# Altium PCB PCB4.PcbDoc (part 10 of 12)
Units mil, origin at the board's own origin, x right, y up, seen from the top; angles counter-clockwise.
Board outline 9204.7 x 4350.39 mil, 4 copper layers (Top Layer, Layer 1, Layer 2, Bottom Layer), stack 23.756 mil thick; 1824 components, 1732 nets, 6090 pads, 1022 vias.
Unrouted connection lines stored in the file: 2463.
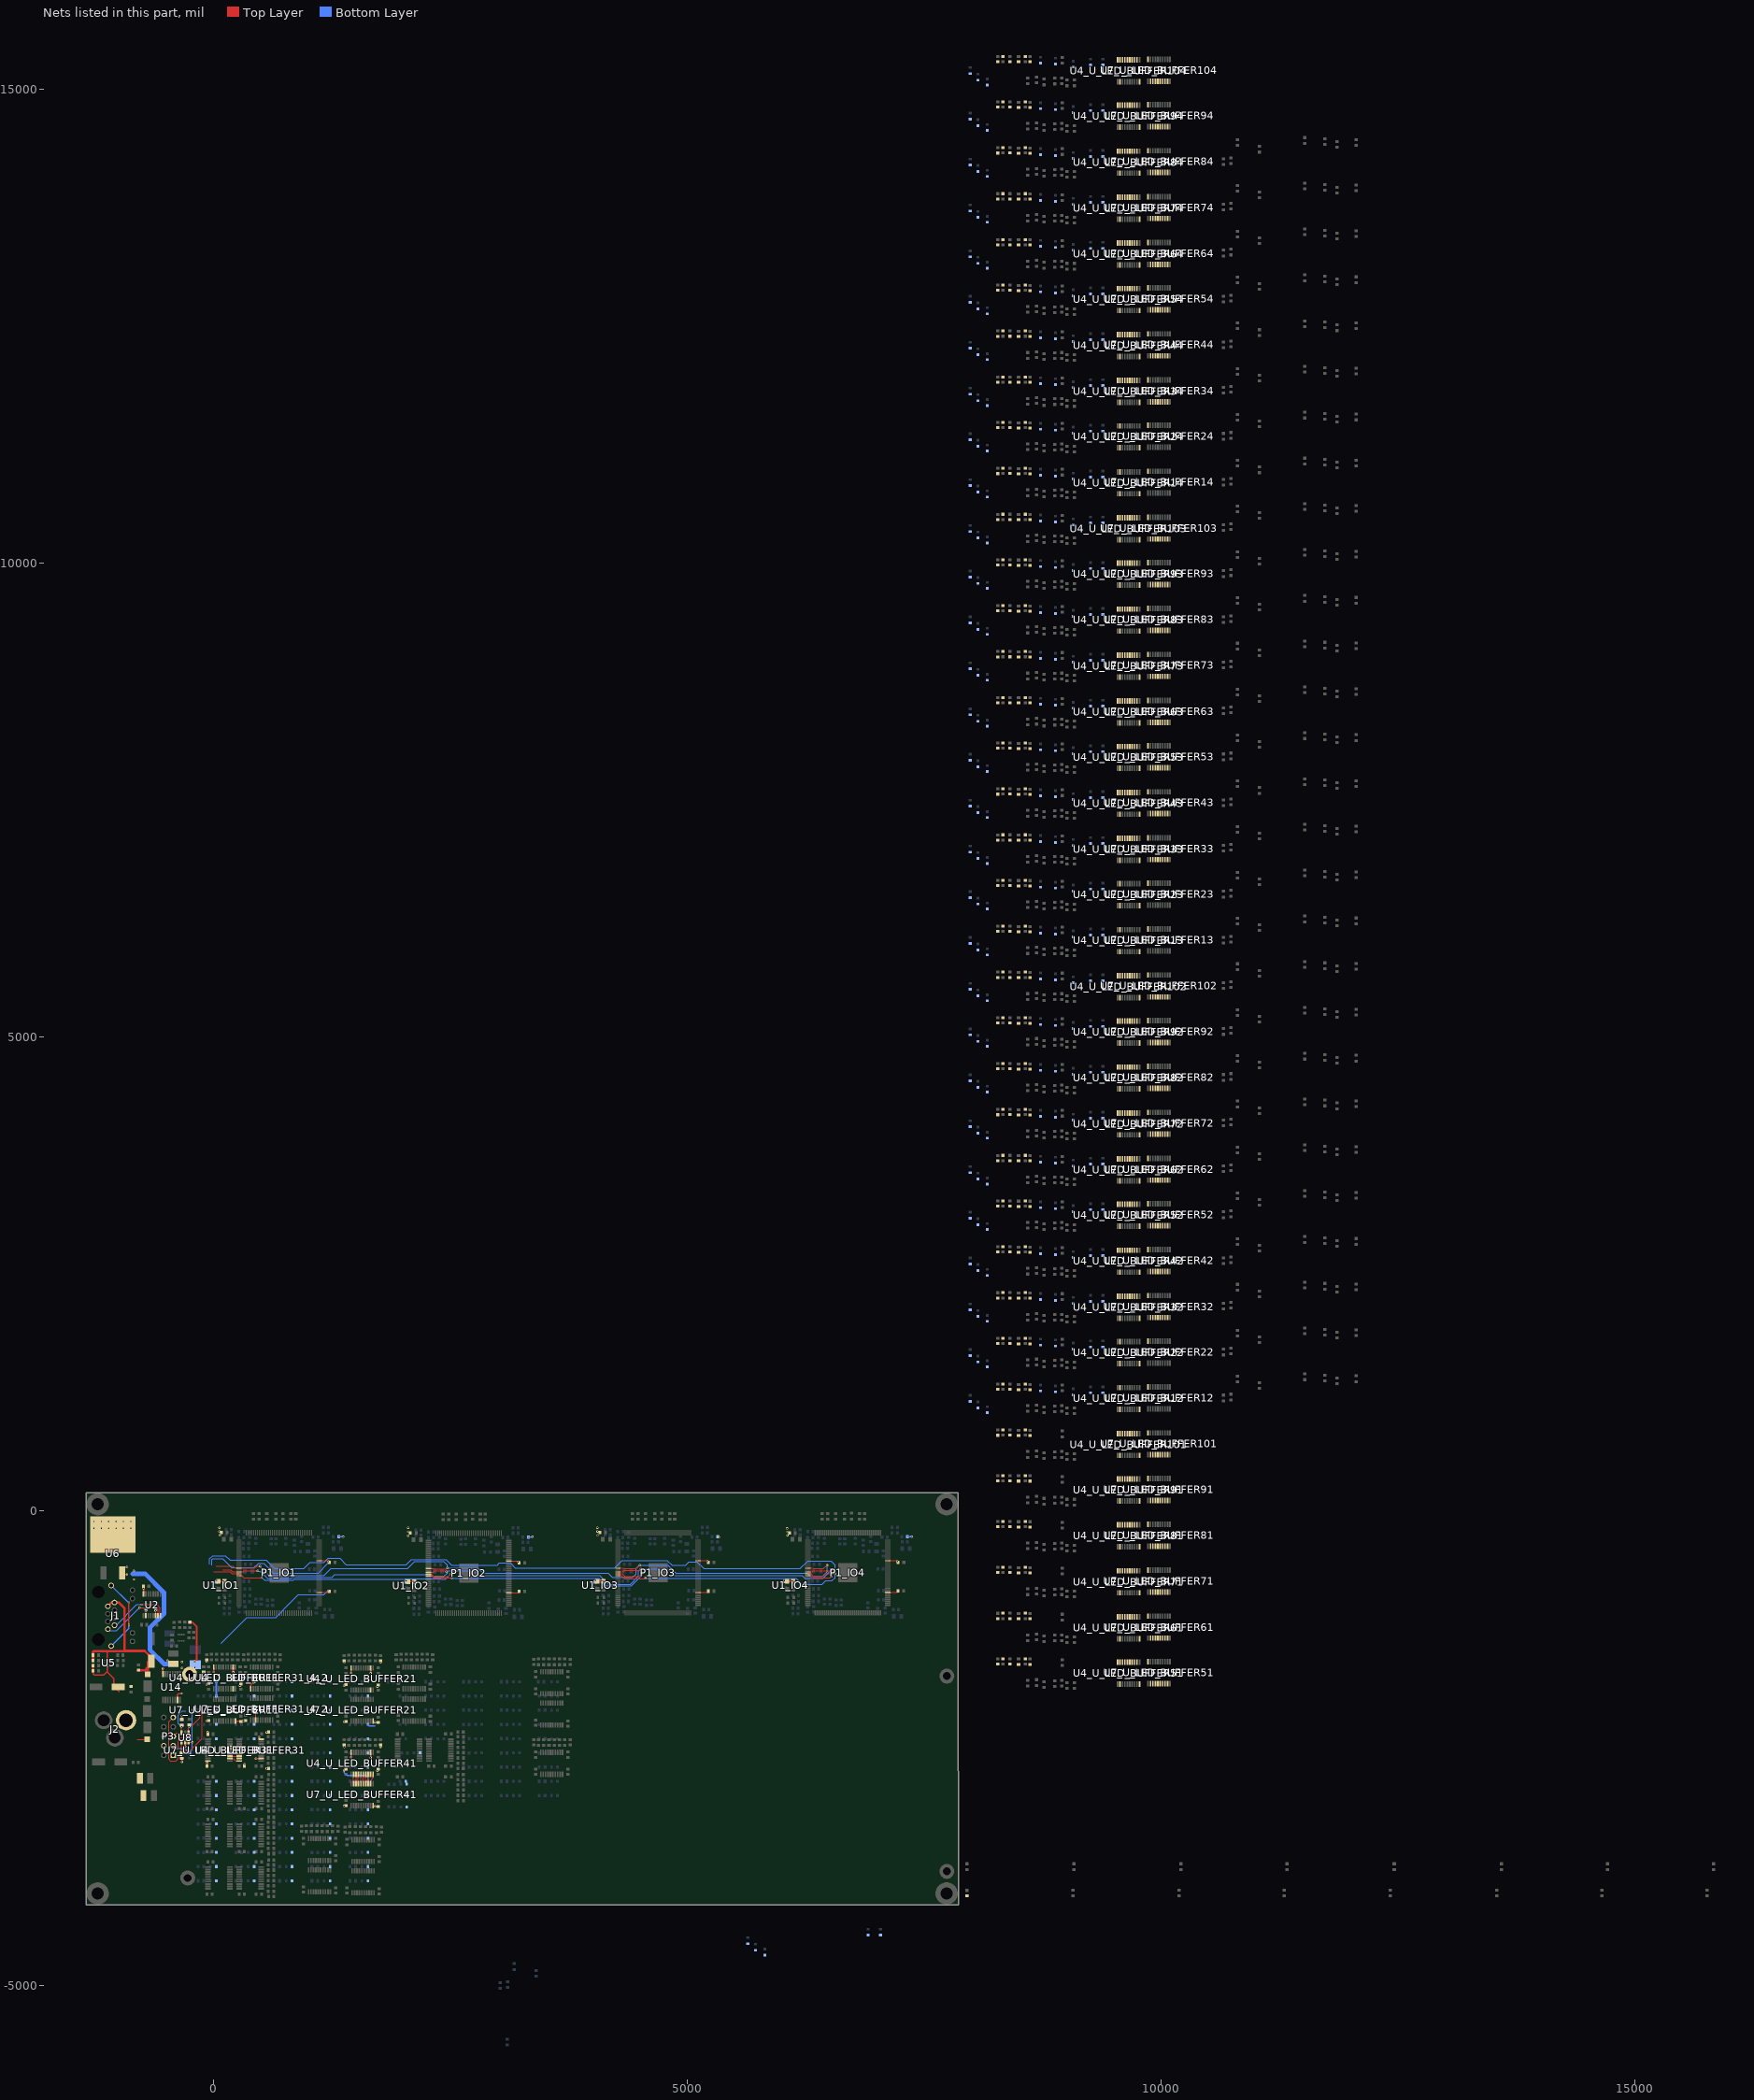
[diagram p12: the nets of this part, all layers, seen from the top]

## Via types
v1: diameter 24, hole 12, Top Layer to Bottom Layer, 1022 vias

## Nets (pads, with @x,y where several pads share a name; then routed paths per layer and width w, separated by ;. In a path a pad name is that pad's centre, name@x,y a point inside that pad or via, vN(x,y) a via of type N, cw(c..) or ccw(c..) an arc to the next point about the centre after c; other vN are vias at no path point) (continued)
NetU4_U_LED_BUFFER31_14: U4_U_LED_BUFFER31.14 U7_U_LED_BUFFER31.7 | length 98.7
  Top Layer w7: U7_U_LED_BUFFER31.7@171.34,-2480 U4_U_LED_BUFFER31.14@270,-2480
NetU4_U_LED_BUFFER31_15: U4_U_LED_BUFFER31.15 U7_U_LED_BUFFER31.6 | length 98.7
  Top Layer w7: U7_U_LED_BUFFER31.6@175.67,-2507.2 U4_U_LED_BUFFER31.15@274.33,-2507.2
NetU4_U_LED_BUFFER31_16: U4_U_LED_BUFFER31.16 U7_U_LED_BUFFER31.5 | length 98.7
  Top Layer w7: U7_U_LED_BUFFER31.5@175.67,-2532.8 U4_U_LED_BUFFER31.16@274.33,-2532.8
NetU4_U_LED_BUFFER31_17: U4_U_LED_BUFFER31.17 U7_U_LED_BUFFER31.4 | length 98.7
  Top Layer w7: U7_U_LED_BUFFER31.4@175.67,-2558.39 U4_U_LED_BUFFER31.17@274.33,-2558.39
NetU4_U_LED_BUFFER31_18: U4_U_LED_BUFFER31.18 U7_U_LED_BUFFER31.3 | length 98.7
  Top Layer w7: U7_U_LED_BUFFER31.3@175.67,-2583.98 U4_U_LED_BUFFER31.18@274.33,-2583.98
NetU4_U_LED_BUFFER31_20: U4_U_LED_BUFFER31.20 U7_U_LED_BUFFER31.2 | length 109.3
  Top Layer w7: U7_U_LED_BUFFER31.2@175.67,-2609.57 209.57,-2609.57 235.16,-2635.16 U4_U_LED_BUFFER31.20@274.33,-2635.16
NetU4_U_LED_BUFFER32_12: U4_U_LED_BUFFER32.12 U7_U_LED_BUFFER32.9
NetU4_U_LED_BUFFER32_13: U4_U_LED_BUFFER32.13 U7_U_LED_BUFFER32.8
NetU4_U_LED_BUFFER32_14: U4_U_LED_BUFFER32.14 U7_U_LED_BUFFER32.7
NetU4_U_LED_BUFFER32_15: U4_U_LED_BUFFER32.15 U7_U_LED_BUFFER32.6
NetU4_U_LED_BUFFER32_16: U4_U_LED_BUFFER32.16 U7_U_LED_BUFFER32.5
NetU4_U_LED_BUFFER32_17: U4_U_LED_BUFFER32.17 U7_U_LED_BUFFER32.4
NetU4_U_LED_BUFFER32_18: U4_U_LED_BUFFER32.18 U7_U_LED_BUFFER32.3
NetU4_U_LED_BUFFER32_20: U4_U_LED_BUFFER32.20 U7_U_LED_BUFFER32.2
NetU4_U_LED_BUFFER33_12: U4_U_LED_BUFFER33.12 U7_U_LED_BUFFER33.9
NetU4_U_LED_BUFFER33_13: U4_U_LED_BUFFER33.13 U7_U_LED_BUFFER33.8
NetU4_U_LED_BUFFER33_14: U4_U_LED_BUFFER33.14 U7_U_LED_BUFFER33.7
NetU4_U_LED_BUFFER33_15: U4_U_LED_BUFFER33.15 U7_U_LED_BUFFER33.6
NetU4_U_LED_BUFFER33_16: U4_U_LED_BUFFER33.16 U7_U_LED_BUFFER33.5
NetU4_U_LED_BUFFER33_17: U4_U_LED_BUFFER33.17 U7_U_LED_BUFFER33.4
NetU4_U_LED_BUFFER33_18: U4_U_LED_BUFFER33.18 U7_U_LED_BUFFER33.3
NetU4_U_LED_BUFFER33_20: U4_U_LED_BUFFER33.20 U7_U_LED_BUFFER33.2
NetU4_U_LED_BUFFER34_12: U4_U_LED_BUFFER34.12 U7_U_LED_BUFFER34.9
NetU4_U_LED_BUFFER34_13: U4_U_LED_BUFFER34.13 U7_U_LED_BUFFER34.8
NetU4_U_LED_BUFFER34_14: U4_U_LED_BUFFER34.14 U7_U_LED_BUFFER34.7
NetU4_U_LED_BUFFER34_15: U4_U_LED_BUFFER34.15 U7_U_LED_BUFFER34.6
NetU4_U_LED_BUFFER34_16: U4_U_LED_BUFFER34.16 U7_U_LED_BUFFER34.5
NetU4_U_LED_BUFFER34_17: U4_U_LED_BUFFER34.17 U7_U_LED_BUFFER34.4
NetU4_U_LED_BUFFER34_18: U4_U_LED_BUFFER34.18 U7_U_LED_BUFFER34.3
NetU4_U_LED_BUFFER34_20: U4_U_LED_BUFFER34.20 U7_U_LED_BUFFER34.2
NetU4_U_LED_BUFFER41_12: U4_U_LED_BUFFER41.12 U7_U_LED_BUFFER41.9 | length 98.7
  Top Layer w7: U7_U_LED_BUFFER41.9@1480.43,-2874.33 U4_U_LED_BUFFER41.12@1480.43,-2775.67
NetU4_U_LED_BUFFER41_13: U4_U_LED_BUFFER41.13 U7_U_LED_BUFFER41.8 | length 98.7
  Top Layer w7: U7_U_LED_BUFFER41.8@1506.02,-2874.33 U4_U_LED_BUFFER41.13@1506.02,-2775.67
NetU4_U_LED_BUFFER41_14: U4_U_LED_BUFFER41.14 U7_U_LED_BUFFER41.7 | length 98.7
  Top Layer w7: U7_U_LED_BUFFER41.7@1530,-2878.66 U4_U_LED_BUFFER41.14@1530,-2780
NetU4_U_LED_BUFFER41_15: U4_U_LED_BUFFER41.15 U7_U_LED_BUFFER41.6 | length 98.7
  Top Layer w7: U7_U_LED_BUFFER41.6@1557.2,-2874.33 U4_U_LED_BUFFER41.15@1557.2,-2775.67
NetU4_U_LED_BUFFER41_16: U4_U_LED_BUFFER41.16 U7_U_LED_BUFFER41.5 | length 98.7
  Top Layer w7: U7_U_LED_BUFFER41.5@1582.8,-2874.33 U4_U_LED_BUFFER41.16@1582.8,-2775.67
NetU4_U_LED_BUFFER41_17: U4_U_LED_BUFFER41.17 U7_U_LED_BUFFER41.4 | length 98.7
  Top Layer w7: U7_U_LED_BUFFER41.4@1608.39,-2874.33 U4_U_LED_BUFFER41.17@1608.39,-2775.67
NetU4_U_LED_BUFFER41_18: U4_U_LED_BUFFER41.18 U7_U_LED_BUFFER41.3 | length 98.7
  Top Layer w7: U7_U_LED_BUFFER41.3@1633.98,-2874.33 U4_U_LED_BUFFER41.18@1633.98,-2775.67
NetU4_U_LED_BUFFER41_20: U4_U_LED_BUFFER41.20 U7_U_LED_BUFFER41.2 | length 109.3
  Top Layer w7: U7_U_LED_BUFFER41.2@1659.57,-2874.33 1659.57,-2840.43 1685.16,-2814.84 U4_U_LED_BUFFER41.20@1685.16,-2775.67
NetU4_U_LED_BUFFER42_12: U4_U_LED_BUFFER42.12 U7_U_LED_BUFFER42.9
NetU4_U_LED_BUFFER42_13: U4_U_LED_BUFFER42.13 U7_U_LED_BUFFER42.8
NetU4_U_LED_BUFFER42_14: U4_U_LED_BUFFER42.14 U7_U_LED_BUFFER42.7
NetU4_U_LED_BUFFER42_15: U4_U_LED_BUFFER42.15 U7_U_LED_BUFFER42.6
NetU4_U_LED_BUFFER42_16: U4_U_LED_BUFFER42.16 U7_U_LED_BUFFER42.5
NetU4_U_LED_BUFFER42_17: U4_U_LED_BUFFER42.17 U7_U_LED_BUFFER42.4
NetU4_U_LED_BUFFER42_18: U4_U_LED_BUFFER42.18 U7_U_LED_BUFFER42.3
NetU4_U_LED_BUFFER42_20: U4_U_LED_BUFFER42.20 U7_U_LED_BUFFER42.2
NetU4_U_LED_BUFFER43_12: U4_U_LED_BUFFER43.12 U7_U_LED_BUFFER43.9
NetU4_U_LED_BUFFER43_13: U4_U_LED_BUFFER43.13 U7_U_LED_BUFFER43.8
NetU4_U_LED_BUFFER43_14: U4_U_LED_BUFFER43.14 U7_U_LED_BUFFER43.7
NetU4_U_LED_BUFFER43_15: U4_U_LED_BUFFER43.15 U7_U_LED_BUFFER43.6
NetU4_U_LED_BUFFER43_16: U4_U_LED_BUFFER43.16 U7_U_LED_BUFFER43.5
NetU4_U_LED_BUFFER43_17: U4_U_LED_BUFFER43.17 U7_U_LED_BUFFER43.4
NetU4_U_LED_BUFFER43_18: U4_U_LED_BUFFER43.18 U7_U_LED_BUFFER43.3
NetU4_U_LED_BUFFER43_20: U4_U_LED_BUFFER43.20 U7_U_LED_BUFFER43.2
NetU4_U_LED_BUFFER44_12: U4_U_LED_BUFFER44.12 U7_U_LED_BUFFER44.9
NetU4_U_LED_BUFFER44_13: U4_U_LED_BUFFER44.13 U7_U_LED_BUFFER44.8
NetU4_U_LED_BUFFER44_14: U4_U_LED_BUFFER44.14 U7_U_LED_BUFFER44.7
NetU4_U_LED_BUFFER44_15: U4_U_LED_BUFFER44.15 U7_U_LED_BUFFER44.6
NetU4_U_LED_BUFFER44_16: U4_U_LED_BUFFER44.16 U7_U_LED_BUFFER44.5
NetU4_U_LED_BUFFER44_17: U4_U_LED_BUFFER44.17 U7_U_LED_BUFFER44.4
NetU4_U_LED_BUFFER44_18: U4_U_LED_BUFFER44.18 U7_U_LED_BUFFER44.3
NetU4_U_LED_BUFFER44_20: U4_U_LED_BUFFER44.20 U7_U_LED_BUFFER44.2
NetU4_U_LED_BUFFER51_12: U4_U_LED_BUFFER51.12 U7_U_LED_BUFFER51.9
NetU4_U_LED_BUFFER51_13: U4_U_LED_BUFFER51.13 U7_U_LED_BUFFER51.8
NetU4_U_LED_BUFFER51_14: U4_U_LED_BUFFER51.14 U7_U_LED_BUFFER51.7
NetU4_U_LED_BUFFER51_15: U4_U_LED_BUFFER51.15 U7_U_LED_BUFFER51.6
NetU4_U_LED_BUFFER51_16: U4_U_LED_BUFFER51.16 U7_U_LED_BUFFER51.5
NetU4_U_LED_BUFFER51_17: U4_U_LED_BUFFER51.17 U7_U_LED_BUFFER51.4
NetU4_U_LED_BUFFER51_18: U4_U_LED_BUFFER51.18 U7_U_LED_BUFFER51.3
NetU4_U_LED_BUFFER51_20: U4_U_LED_BUFFER51.20 U7_U_LED_BUFFER51.2
NetU4_U_LED_BUFFER52_12: U4_U_LED_BUFFER52.12 U7_U_LED_BUFFER52.9
NetU4_U_LED_BUFFER52_13: U4_U_LED_BUFFER52.13 U7_U_LED_BUFFER52.8
NetU4_U_LED_BUFFER52_14: U4_U_LED_BUFFER52.14 U7_U_LED_BUFFER52.7
NetU4_U_LED_BUFFER52_15: U4_U_LED_BUFFER52.15 U7_U_LED_BUFFER52.6
NetU4_U_LED_BUFFER52_16: U4_U_LED_BUFFER52.16 U7_U_LED_BUFFER52.5
NetU4_U_LED_BUFFER52_17: U4_U_LED_BUFFER52.17 U7_U_LED_BUFFER52.4
NetU4_U_LED_BUFFER52_18: U4_U_LED_BUFFER52.18 U7_U_LED_BUFFER52.3
NetU4_U_LED_BUFFER52_20: U4_U_LED_BUFFER52.20 U7_U_LED_BUFFER52.2
NetU4_U_LED_BUFFER53_12: U4_U_LED_BUFFER53.12 U7_U_LED_BUFFER53.9
NetU4_U_LED_BUFFER53_13: U4_U_LED_BUFFER53.13 U7_U_LED_BUFFER53.8
NetU4_U_LED_BUFFER53_14: U4_U_LED_BUFFER53.14 U7_U_LED_BUFFER53.7
NetU4_U_LED_BUFFER53_15: U4_U_LED_BUFFER53.15 U7_U_LED_BUFFER53.6
NetU4_U_LED_BUFFER53_16: U4_U_LED_BUFFER53.16 U7_U_LED_BUFFER53.5
NetU4_U_LED_BUFFER53_17: U4_U_LED_BUFFER53.17 U7_U_LED_BUFFER53.4
NetU4_U_LED_BUFFER53_18: U4_U_LED_BUFFER53.18 U7_U_LED_BUFFER53.3
NetU4_U_LED_BUFFER53_20: U4_U_LED_BUFFER53.20 U7_U_LED_BUFFER53.2
NetU4_U_LED_BUFFER54_12: U4_U_LED_BUFFER54.12 U7_U_LED_BUFFER54.9
NetU4_U_LED_BUFFER54_13: U4_U_LED_BUFFER54.13 U7_U_LED_BUFFER54.8
NetU4_U_LED_BUFFER54_14: U4_U_LED_BUFFER54.14 U7_U_LED_BUFFER54.7
NetU4_U_LED_BUFFER54_15: U4_U_LED_BUFFER54.15 U7_U_LED_BUFFER54.6
NetU4_U_LED_BUFFER54_16: U4_U_LED_BUFFER54.16 U7_U_LED_BUFFER54.5
NetU4_U_LED_BUFFER54_17: U4_U_LED_BUFFER54.17 U7_U_LED_BUFFER54.4
NetU4_U_LED_BUFFER54_18: U4_U_LED_BUFFER54.18 U7_U_LED_BUFFER54.3
NetU4_U_LED_BUFFER54_20: U4_U_LED_BUFFER54.20 U7_U_LED_BUFFER54.2
NetU4_U_LED_BUFFER61_12: U4_U_LED_BUFFER61.12 U7_U_LED_BUFFER61.9
NetU4_U_LED_BUFFER61_13: U4_U_LED_BUFFER61.13 U7_U_LED_BUFFER61.8
NetU4_U_LED_BUFFER61_14: U4_U_LED_BUFFER61.14 U7_U_LED_BUFFER61.7
NetU4_U_LED_BUFFER61_15: U4_U_LED_BUFFER61.15 U7_U_LED_BUFFER61.6
NetU4_U_LED_BUFFER61_16: U4_U_LED_BUFFER61.16 U7_U_LED_BUFFER61.5
NetU4_U_LED_BUFFER61_17: U4_U_LED_BUFFER61.17 U7_U_LED_BUFFER61.4
NetU4_U_LED_BUFFER61_18: U4_U_LED_BUFFER61.18 U7_U_LED_BUFFER61.3
NetU4_U_LED_BUFFER61_20: U4_U_LED_BUFFER61.20 U7_U_LED_BUFFER61.2
NetU4_U_LED_BUFFER62_12: U4_U_LED_BUFFER62.12 U7_U_LED_BUFFER62.9
NetU4_U_LED_BUFFER62_13: U4_U_LED_BUFFER62.13 U7_U_LED_BUFFER62.8
NetU4_U_LED_BUFFER62_14: U4_U_LED_BUFFER62.14 U7_U_LED_BUFFER62.7
NetU4_U_LED_BUFFER62_15: U4_U_LED_BUFFER62.15 U7_U_LED_BUFFER62.6
NetU4_U_LED_BUFFER62_16: U4_U_LED_BUFFER62.16 U7_U_LED_BUFFER62.5
NetU4_U_LED_BUFFER62_17: U4_U_LED_BUFFER62.17 U7_U_LED_BUFFER62.4
NetU4_U_LED_BUFFER62_18: U4_U_LED_BUFFER62.18 U7_U_LED_BUFFER62.3
NetU4_U_LED_BUFFER62_20: U4_U_LED_BUFFER62.20 U7_U_LED_BUFFER62.2
NetU4_U_LED_BUFFER63_12: U4_U_LED_BUFFER63.12 U7_U_LED_BUFFER63.9
NetU4_U_LED_BUFFER63_13: U4_U_LED_BUFFER63.13 U7_U_LED_BUFFER63.8
NetU4_U_LED_BUFFER63_14: U4_U_LED_BUFFER63.14 U7_U_LED_BUFFER63.7
NetU4_U_LED_BUFFER63_15: U4_U_LED_BUFFER63.15 U7_U_LED_BUFFER63.6
NetU4_U_LED_BUFFER63_16: U4_U_LED_BUFFER63.16 U7_U_LED_BUFFER63.5
NetU4_U_LED_BUFFER63_17: U4_U_LED_BUFFER63.17 U7_U_LED_BUFFER63.4
NetU4_U_LED_BUFFER63_18: U4_U_LED_BUFFER63.18 U7_U_LED_BUFFER63.3
NetU4_U_LED_BUFFER63_20: U4_U_LED_BUFFER63.20 U7_U_LED_BUFFER63.2
NetU4_U_LED_BUFFER64_12: U4_U_LED_BUFFER64.12 U7_U_LED_BUFFER64.9
NetU4_U_LED_BUFFER64_13: U4_U_LED_BUFFER64.13 U7_U_LED_BUFFER64.8
NetU4_U_LED_BUFFER64_14: U4_U_LED_BUFFER64.14 U7_U_LED_BUFFER64.7
NetU4_U_LED_BUFFER64_15: U4_U_LED_BUFFER64.15 U7_U_LED_BUFFER64.6
NetU4_U_LED_BUFFER64_16: U4_U_LED_BUFFER64.16 U7_U_LED_BUFFER64.5
NetU4_U_LED_BUFFER64_17: U4_U_LED_BUFFER64.17 U7_U_LED_BUFFER64.4
NetU4_U_LED_BUFFER64_18: U4_U_LED_BUFFER64.18 U7_U_LED_BUFFER64.3
NetU4_U_LED_BUFFER64_20: U4_U_LED_BUFFER64.20 U7_U_LED_BUFFER64.2
NetU4_U_LED_BUFFER71_12: U4_U_LED_BUFFER71.12 U7_U_LED_BUFFER71.9
NetU4_U_LED_BUFFER71_13: U4_U_LED_BUFFER71.13 U7_U_LED_BUFFER71.8
NetU4_U_LED_BUFFER71_14: U4_U_LED_BUFFER71.14 U7_U_LED_BUFFER71.7
NetU4_U_LED_BUFFER71_15: U4_U_LED_BUFFER71.15 U7_U_LED_BUFFER71.6
NetU4_U_LED_BUFFER71_16: U4_U_LED_BUFFER71.16 U7_U_LED_BUFFER71.5
NetU4_U_LED_BUFFER71_17: U4_U_LED_BUFFER71.17 U7_U_LED_BUFFER71.4
NetU4_U_LED_BUFFER71_18: U4_U_LED_BUFFER71.18 U7_U_LED_BUFFER71.3
NetU4_U_LED_BUFFER71_20: U4_U_LED_BUFFER71.20 U7_U_LED_BUFFER71.2
NetU4_U_LED_BUFFER72_12: U4_U_LED_BUFFER72.12 U7_U_LED_BUFFER72.9
NetU4_U_LED_BUFFER72_13: U4_U_LED_BUFFER72.13 U7_U_LED_BUFFER72.8
NetU4_U_LED_BUFFER72_14: U4_U_LED_BUFFER72.14 U7_U_LED_BUFFER72.7
NetU4_U_LED_BUFFER72_15: U4_U_LED_BUFFER72.15 U7_U_LED_BUFFER72.6
NetU4_U_LED_BUFFER72_16: U4_U_LED_BUFFER72.16 U7_U_LED_BUFFER72.5
NetU4_U_LED_BUFFER72_17: U4_U_LED_BUFFER72.17 U7_U_LED_BUFFER72.4
NetU4_U_LED_BUFFER72_18: U4_U_LED_BUFFER72.18 U7_U_LED_BUFFER72.3
NetU4_U_LED_BUFFER72_20: U4_U_LED_BUFFER72.20 U7_U_LED_BUFFER72.2
NetU4_U_LED_BUFFER73_12: U4_U_LED_BUFFER73.12 U7_U_LED_BUFFER73.9
NetU4_U_LED_BUFFER73_13: U4_U_LED_BUFFER73.13 U7_U_LED_BUFFER73.8
NetU4_U_LED_BUFFER73_14: U4_U_LED_BUFFER73.14 U7_U_LED_BUFFER73.7
NetU4_U_LED_BUFFER73_15: U4_U_LED_BUFFER73.15 U7_U_LED_BUFFER73.6
NetU4_U_LED_BUFFER73_16: U4_U_LED_BUFFER73.16 U7_U_LED_BUFFER73.5
NetU4_U_LED_BUFFER73_17: U4_U_LED_BUFFER73.17 U7_U_LED_BUFFER73.4
NetU4_U_LED_BUFFER73_18: U4_U_LED_BUFFER73.18 U7_U_LED_BUFFER73.3
NetU4_U_LED_BUFFER73_20: U4_U_LED_BUFFER73.20 U7_U_LED_BUFFER73.2
NetU4_U_LED_BUFFER74_12: U4_U_LED_BUFFER74.12 U7_U_LED_BUFFER74.9
NetU4_U_LED_BUFFER74_13: U4_U_LED_BUFFER74.13 U7_U_LED_BUFFER74.8
NetU4_U_LED_BUFFER74_14: U4_U_LED_BUFFER74.14 U7_U_LED_BUFFER74.7
NetU4_U_LED_BUFFER74_15: U4_U_LED_BUFFER74.15 U7_U_LED_BUFFER74.6
NetU4_U_LED_BUFFER74_16: U4_U_LED_BUFFER74.16 U7_U_LED_BUFFER74.5
NetU4_U_LED_BUFFER74_17: U4_U_LED_BUFFER74.17 U7_U_LED_BUFFER74.4
NetU4_U_LED_BUFFER74_18: U4_U_LED_BUFFER74.18 U7_U_LED_BUFFER74.3
NetU4_U_LED_BUFFER74_20: U4_U_LED_BUFFER74.20 U7_U_LED_BUFFER74.2
NetU4_U_LED_BUFFER81_12: U4_U_LED_BUFFER81.12 U7_U_LED_BUFFER81.9
NetU4_U_LED_BUFFER81_13: U4_U_LED_BUFFER81.13 U7_U_LED_BUFFER81.8
NetU4_U_LED_BUFFER81_14: U4_U_LED_BUFFER81.14 U7_U_LED_BUFFER81.7
NetU4_U_LED_BUFFER81_15: U4_U_LED_BUFFER81.15 U7_U_LED_BUFFER81.6
NetU4_U_LED_BUFFER81_16: U4_U_LED_BUFFER81.16 U7_U_LED_BUFFER81.5
NetU4_U_LED_BUFFER81_17: U4_U_LED_BUFFER81.17 U7_U_LED_BUFFER81.4
NetU4_U_LED_BUFFER81_18: U4_U_LED_BUFFER81.18 U7_U_LED_BUFFER81.3
NetU4_U_LED_BUFFER81_20: U4_U_LED_BUFFER81.20 U7_U_LED_BUFFER81.2
NetU4_U_LED_BUFFER82_12: U4_U_LED_BUFFER82.12 U7_U_LED_BUFFER82.9
NetU4_U_LED_BUFFER82_13: U4_U_LED_BUFFER82.13 U7_U_LED_BUFFER82.8
NetU4_U_LED_BUFFER82_14: U4_U_LED_BUFFER82.14 U7_U_LED_BUFFER82.7
NetU4_U_LED_BUFFER82_15: U4_U_LED_BUFFER82.15 U7_U_LED_BUFFER82.6
NetU4_U_LED_BUFFER82_16: U4_U_LED_BUFFER82.16 U7_U_LED_BUFFER82.5
NetU4_U_LED_BUFFER82_17: U4_U_LED_BUFFER82.17 U7_U_LED_BUFFER82.4
NetU4_U_LED_BUFFER82_18: U4_U_LED_BUFFER82.18 U7_U_LED_BUFFER82.3
NetU4_U_LED_BUFFER82_20: U4_U_LED_BUFFER82.20 U7_U_LED_BUFFER82.2
NetU4_U_LED_BUFFER83_12: U4_U_LED_BUFFER83.12 U7_U_LED_BUFFER83.9
NetU4_U_LED_BUFFER83_13: U4_U_LED_BUFFER83.13 U7_U_LED_BUFFER83.8
NetU4_U_LED_BUFFER83_14: U4_U_LED_BUFFER83.14 U7_U_LED_BUFFER83.7
NetU4_U_LED_BUFFER83_15: U4_U_LED_BUFFER83.15 U7_U_LED_BUFFER83.6
NetU4_U_LED_BUFFER83_16: U4_U_LED_BUFFER83.16 U7_U_LED_BUFFER83.5
NetU4_U_LED_BUFFER83_17: U4_U_LED_BUFFER83.17 U7_U_LED_BUFFER83.4
NetU4_U_LED_BUFFER83_18: U4_U_LED_BUFFER83.18 U7_U_LED_BUFFER83.3
NetU4_U_LED_BUFFER83_20: U4_U_LED_BUFFER83.20 U7_U_LED_BUFFER83.2
NetU4_U_LED_BUFFER84_12: U4_U_LED_BUFFER84.12 U7_U_LED_BUFFER84.9
NetU4_U_LED_BUFFER84_13: U4_U_LED_BUFFER84.13 U7_U_LED_BUFFER84.8
NetU4_U_LED_BUFFER84_14: U4_U_LED_BUFFER84.14 U7_U_LED_BUFFER84.7
NetU4_U_LED_BUFFER84_15: U4_U_LED_BUFFER84.15 U7_U_LED_BUFFER84.6
NetU4_U_LED_BUFFER84_16: U4_U_LED_BUFFER84.16 U7_U_LED_BUFFER84.5
NetU4_U_LED_BUFFER84_17: U4_U_LED_BUFFER84.17 U7_U_LED_BUFFER84.4
NetU4_U_LED_BUFFER84_18: U4_U_LED_BUFFER84.18 U7_U_LED_BUFFER84.3
NetU4_U_LED_BUFFER84_20: U4_U_LED_BUFFER84.20 U7_U_LED_BUFFER84.2
NetU4_U_LED_BUFFER91_12: U4_U_LED_BUFFER91.12 U7_U_LED_BUFFER91.9
NetU4_U_LED_BUFFER91_13: U4_U_LED_BUFFER91.13 U7_U_LED_BUFFER91.8
NetU4_U_LED_BUFFER91_14: U4_U_LED_BUFFER91.14 U7_U_LED_BUFFER91.7
NetU4_U_LED_BUFFER91_15: U4_U_LED_BUFFER91.15 U7_U_LED_BUFFER91.6
NetU4_U_LED_BUFFER91_16: U4_U_LED_BUFFER91.16 U7_U_LED_BUFFER91.5
NetU4_U_LED_BUFFER91_17: U4_U_LED_BUFFER91.17 U7_U_LED_BUFFER91.4
NetU4_U_LED_BUFFER91_18: U4_U_LED_BUFFER91.18 U7_U_LED_BUFFER91.3
NetU4_U_LED_BUFFER91_20: U4_U_LED_BUFFER91.20 U7_U_LED_BUFFER91.2
NetU4_U_LED_BUFFER92_12: U4_U_LED_BUFFER92.12 U7_U_LED_BUFFER92.9
NetU4_U_LED_BUFFER92_13: U4_U_LED_BUFFER92.13 U7_U_LED_BUFFER92.8
NetU4_U_LED_BUFFER92_14: U4_U_LED_BUFFER92.14 U7_U_LED_BUFFER92.7
NetU4_U_LED_BUFFER92_15: U4_U_LED_BUFFER92.15 U7_U_LED_BUFFER92.6
NetU4_U_LED_BUFFER92_16: U4_U_LED_BUFFER92.16 U7_U_LED_BUFFER92.5
NetU4_U_LED_BUFFER92_17: U4_U_LED_BUFFER92.17 U7_U_LED_BUFFER92.4
NetU4_U_LED_BUFFER92_18: U4_U_LED_BUFFER92.18 U7_U_LED_BUFFER92.3
NetU4_U_LED_BUFFER92_20: U4_U_LED_BUFFER92.20 U7_U_LED_BUFFER92.2
NetU4_U_LED_BUFFER93_12: U4_U_LED_BUFFER93.12 U7_U_LED_BUFFER93.9
NetU4_U_LED_BUFFER93_13: U4_U_LED_BUFFER93.13 U7_U_LED_BUFFER93.8
NetU4_U_LED_BUFFER93_14: U4_U_LED_BUFFER93.14 U7_U_LED_BUFFER93.7
NetU4_U_LED_BUFFER93_15: U4_U_LED_BUFFER93.15 U7_U_LED_BUFFER93.6
NetU4_U_LED_BUFFER93_16: U4_U_LED_BUFFER93.16 U7_U_LED_BUFFER93.5
NetU4_U_LED_BUFFER93_17: U4_U_LED_BUFFER93.17 U7_U_LED_BUFFER93.4
NetU4_U_LED_BUFFER93_18: U4_U_LED_BUFFER93.18 U7_U_LED_BUFFER93.3
NetU4_U_LED_BUFFER93_20: U4_U_LED_BUFFER93.20 U7_U_LED_BUFFER93.2
NetU4_U_LED_BUFFER94_12: U4_U_LED_BUFFER94.12 U7_U_LED_BUFFER94.9
NetU4_U_LED_BUFFER94_13: U4_U_LED_BUFFER94.13 U7_U_LED_BUFFER94.8
NetU4_U_LED_BUFFER94_14: U4_U_LED_BUFFER94.14 U7_U_LED_BUFFER94.7
NetU4_U_LED_BUFFER94_15: U4_U_LED_BUFFER94.15 U7_U_LED_BUFFER94.6
NetU4_U_LED_BUFFER94_16: U4_U_LED_BUFFER94.16 U7_U_LED_BUFFER94.5
NetU4_U_LED_BUFFER94_17: U4_U_LED_BUFFER94.17 U7_U_LED_BUFFER94.4
NetU4_U_LED_BUFFER94_18: U4_U_LED_BUFFER94.18 U7_U_LED_BUFFER94.3
NetU4_U_LED_BUFFER94_20: U4_U_LED_BUFFER94.20 U7_U_LED_BUFFER94.2
NetU4_U_LED_BUFFER101_12: U4_U_LED_BUFFER101.12 U7_U_LED_BUFFER101.9
NetU4_U_LED_BUFFER101_13: U4_U_LED_BUFFER101.13 U7_U_LED_BUFFER101.8
NetU4_U_LED_BUFFER101_14: U4_U_LED_BUFFER101.14 U7_U_LED_BUFFER101.7
NetU4_U_LED_BUFFER101_15: U4_U_LED_BUFFER101.15 U7_U_LED_BUFFER101.6
NetU4_U_LED_BUFFER101_16: U4_U_LED_BUFFER101.16 U7_U_LED_BUFFER101.5
NetU4_U_LED_BUFFER101_17: U4_U_LED_BUFFER101.17 U7_U_LED_BUFFER101.4
NetU4_U_LED_BUFFER101_18: U4_U_LED_BUFFER101.18 U7_U_LED_BUFFER101.3
NetU4_U_LED_BUFFER101_20: U4_U_LED_BUFFER101.20 U7_U_LED_BUFFER101.2
NetU4_U_LED_BUFFER102_12: U4_U_LED_BUFFER102.12 U7_U_LED_BUFFER102.9
NetU4_U_LED_BUFFER102_13: U4_U_LED_BUFFER102.13 U7_U_LED_BUFFER102.8
NetU4_U_LED_BUFFER102_14: U4_U_LED_BUFFER102.14 U7_U_LED_BUFFER102.7
NetU4_U_LED_BUFFER102_15: U4_U_LED_BUFFER102.15 U7_U_LED_BUFFER102.6
NetU4_U_LED_BUFFER102_16: U4_U_LED_BUFFER102.16 U7_U_LED_BUFFER102.5
NetU4_U_LED_BUFFER102_17: U4_U_LED_BUFFER102.17 U7_U_LED_BUFFER102.4
NetU4_U_LED_BUFFER102_18: U4_U_LED_BUFFER102.18 U7_U_LED_BUFFER102.3
NetU4_U_LED_BUFFER102_20: U4_U_LED_BUFFER102.20 U7_U_LED_BUFFER102.2
NetU4_U_LED_BUFFER103_12: U4_U_LED_BUFFER103.12 U7_U_LED_BUFFER103.9
NetU4_U_LED_BUFFER103_13: U4_U_LED_BUFFER103.13 U7_U_LED_BUFFER103.8
NetU4_U_LED_BUFFER103_14: U4_U_LED_BUFFER103.14 U7_U_LED_BUFFER103.7
NetU4_U_LED_BUFFER103_15: U4_U_LED_BUFFER103.15 U7_U_LED_BUFFER103.6
NetU4_U_LED_BUFFER103_16: U4_U_LED_BUFFER103.16 U7_U_LED_BUFFER103.5
NetU4_U_LED_BUFFER103_17: U4_U_LED_BUFFER103.17 U7_U_LED_BUFFER103.4
NetU4_U_LED_BUFFER103_18: U4_U_LED_BUFFER103.18 U7_U_LED_BUFFER103.3
NetU4_U_LED_BUFFER103_20: U4_U_LED_BUFFER103.20 U7_U_LED_BUFFER103.2
NetU4_U_LED_BUFFER104_12: U4_U_LED_BUFFER104.12 U7_U_LED_BUFFER104.9
NetU4_U_LED_BUFFER104_13: U4_U_LED_BUFFER104.13 U7_U_LED_BUFFER104.8
NetU4_U_LED_BUFFER104_14: U4_U_LED_BUFFER104.14 U7_U_LED_BUFFER104.7
NetU4_U_LED_BUFFER104_15: U4_U_LED_BUFFER104.15 U7_U_LED_BUFFER104.6
NetU4_U_LED_BUFFER104_16: U4_U_LED_BUFFER104.16 U7_U_LED_BUFFER104.5
NetU4_U_LED_BUFFER104_17: U4_U_LED_BUFFER104.17 U7_U_LED_BUFFER104.4
NetU4_U_LED_BUFFER104_18: U4_U_LED_BUFFER104.18 U7_U_LED_BUFFER104.3
NetU4_U_LED_BUFFER104_20: U4_U_LED_BUFFER104.20 U7_U_LED_BUFFER104.2
PWR_CNTRL: C78.2 C79.1 D4.2 J1.7 J1.8 R41.1 R42.2 U5.2 | length 2076.2
  Top Layer w15: U5.2@-1119.3,-1587.6 -1119.3,-1477.6
  Top Layer w25: R41.1@-1269.46,-1574.36 R42.2@-1269.46,-1518.82 -1269.46,-1486.22 -1260.84,-1477.6 -1119.3,-1477.6 -719.7,-1477.6 ; J1.7@-1112.58,-1003.31 -1072.42,-963.15 J1.8@-1042.5,-963.15 -998.17,-963.15 -936.2,-1025.12 -936.2,-1472.1 ; -936.2,-1474.4 -722.9,-1474.4 -719.7,-1477.6 ; C78.2@-792.63,-1680.69 C78.2@-790.1,-1678.16 ; C78.2@-790.1,-1679.62 -722.47,-1679.62 -691.9,-1649.05 ; D4.2@-691.9,-1720.34 -691.9,-1649.05 ; -691.9,-1591.5 -691.9,-1649.05 ; -719.7,-1477.6 -673.8,-1523.5 -673.8,-1630.95 -691.9,-1649.05
PWR_LOCAL: C75.2 C76.1 D6.2 J2.1 R35.1 R36.2 U5.7 | length 763.1
  Top Layer w10: J2.1@-920.29,-2298.56 J2.1@-920.29,-2205.46 ; -804.1,-2407.1 D6.2@-696,-2407.1
  Top Layer w15: R35.1@-1269.46,-1629.89 R36.2@-1269.46,-1685.42 -1266.95,-1687.94 -1266.95,-1716.64 -1256.46,-1727.12 -1154.26,-1727.12 -1120.81,-1693.67 ; U5.7@-1119.66,-1627.37 -1119.36,-1627.67 -1119.36,-1692.22 -1120.81,-1693.67 ; C76.1@-1055.2,-1842.5 -993.6,-1904.1 ; C76.1@-1050,-1820 -1050,-1764.48 -1120.81,-1693.67
RS232_RX: J1.2 U2.8 | length 667.7
  Top Layer w10: v1(-754.3,-986.4) -598.36,-986.4 -562.27,-1022.49 -562.27,-1072.98 -561.39,-1073.85 -561.39,-1099.01 U2.8@-557.53,-1102.87